# Altium PCB Wl-FRONT.PcbDoc
Units mm, origin at the board's own origin, x right, y up, seen from the top; angles counter-clockwise.
Board outline 140 x 64.5 mm, 2 copper layers (Top Layer, Bottom Layer), stack 1.671 mm thick; 34 components, 42 nets, 229 pads, 172 vias.
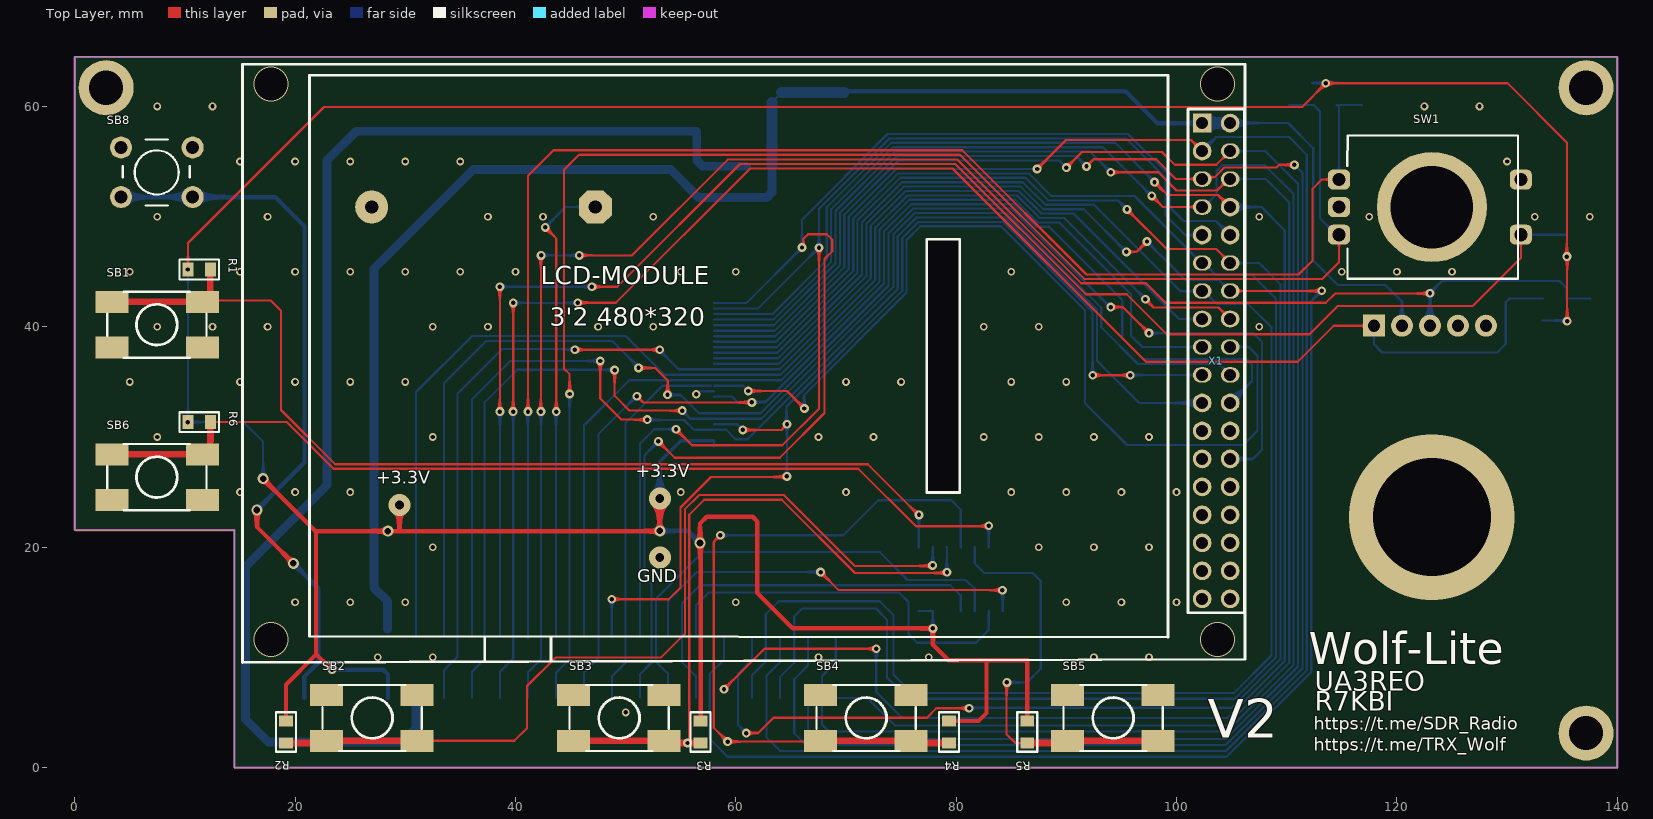
[diagram p0: Top Layer view]
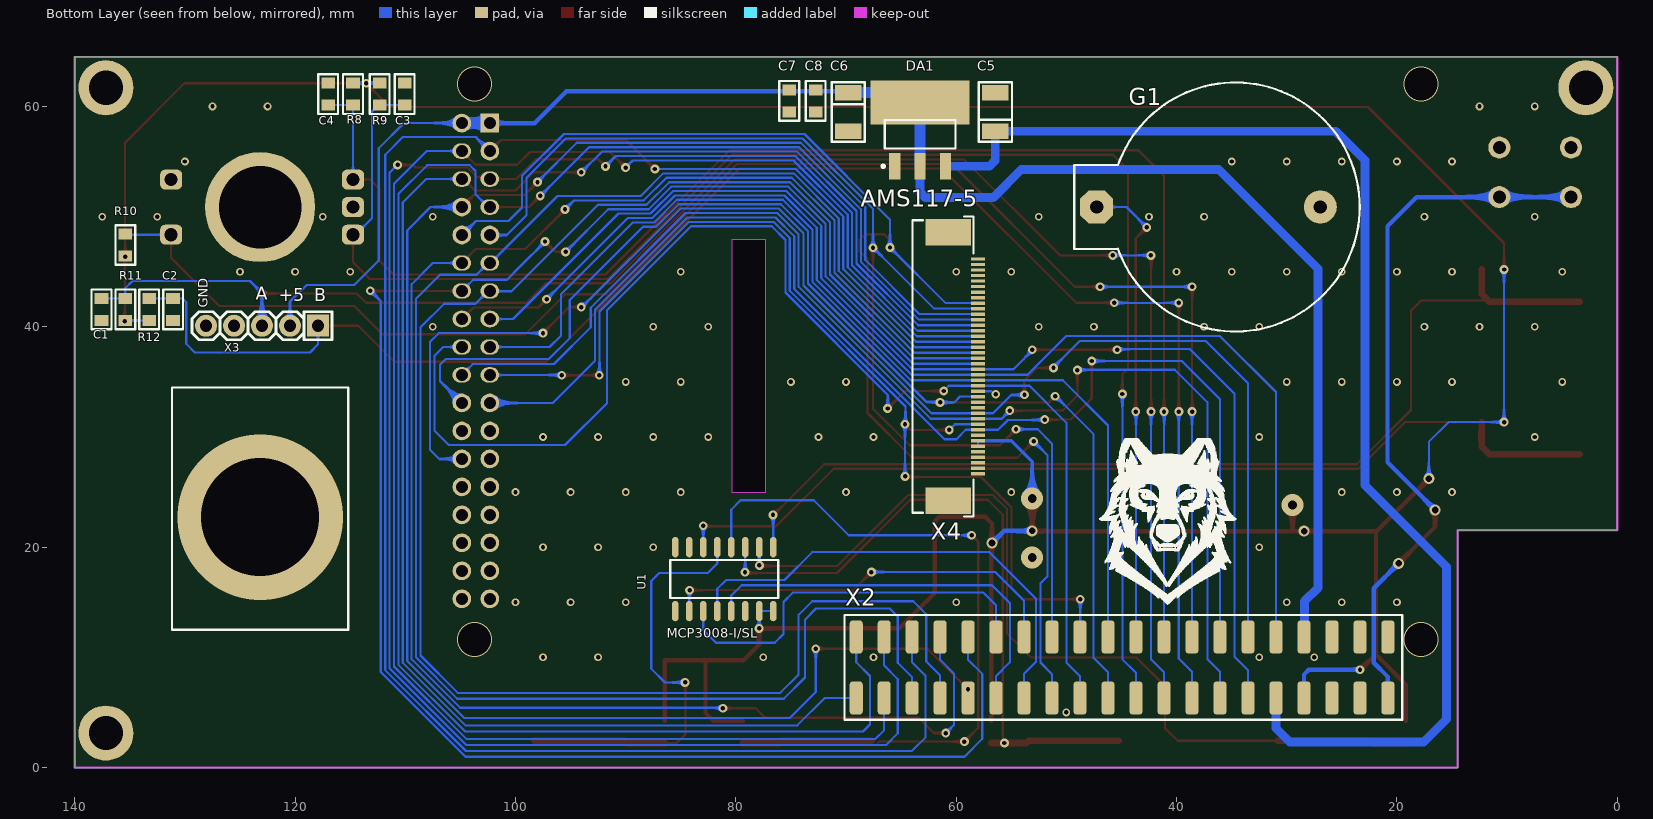
[diagram p1: Bottom Layer view, seen from below]

## Layer stack, top to bottom
Top Solder: solder mask 0.0102, Solder Resist, Dk 3.5
Top Layer: signal copper 0.0356
Dielectric 1: dielectric 1.6, FR-4, Dk 4.8
Bottom Layer: signal copper 0.0356
Bottom Solder: solder mask 0.0102, Solder Resist, Dk 3.5

## Board outline
0,21.55 0,64.5 140,64.5 140,0 14.5,0 14.5,21.55
cut-out: 77.325,24.95 80.325,24.95 80.325,47.95 77.325,47.95

## Design rules (kind name [scope] priority, off if disabled: settings)
Clearance [All] p1: gap=0.2 ignorepadtopadclearanceinfootprint=FALSE except(0: Arc-Hole Track-Hole SMDPad-Hole THPad-Hole Via-Hole Fill-Hole Poly-Hole Region-Hole Text-Hole)
ComponentClearance [All] p1: gap=0 collisioncheckmode=3 verticalgap=0 showdistances=FALSE
PolygonConnect [All] p1: connectstyle=Relief reliefconductorwidth=0.254 reliefentries=4 polygonreliefangle="90 Angle" airgapwidth=0.254
RoutingVias [All] p1: holewidth=0.711 width=1.27 viastyle="Through Hole" minholewidth=0.711 minwidth=1.27 maxholewidth=0.711 maxwidth=1.27
SolderMaskExpansion [All] p1: expansion=0.102 istentingtop=FALSE
Width [All] p1: maxlimit=1 minlimit=0.15 preferedwidth=0.2
29 further rules are at their usual default settings.

## Components (designator, comment, footprint, x,y, rotation, side; value= is the part's Value field where it differs from the comment)
C1 "0.1" CH0805C 137.575,41.575 r270 bottom
C2 "0.1" CH0805C 131.075,41.575 r270 bottom
C3 "0.1" CH0805C 110.05,61.125 r90 bottom
C4 "0.1" CH0805C 117,61.125 r90 bottom
C5 "10uF 10V" TANTAL_B 56.446,59.5 r90 bottom
C6 "10uF 10V" TANTAL_B 69.8,59.5 r270 bottom
C7 "0.1" CH0805C 75.15,60.5 r270 bottom
C8 "0.1" CH0805C 72.75,60.5 r270 bottom
DA1 "AMS117-5" SOT223 63.275,57.475 r90 bottom
G1 "3V" "BAT: CH224-2032" 37.1,50.875 r180 bottom
R1 "4.7K" CH0805R 11.302,45.2 r0 top
R2 "4.7K" CH0805R 19.175,3.223 r270 top
R3 "4.7K" CH0805R 56.8,3.223 r270 top
R4 "4.7K" CH0805R 79.35,3.223 r270 top
R5 "4.7K" CH0805R 86.45,3.223 r270 top
R6 "4.7K" CH0805R 11.302,31.35 r0 top
R8 "4.7k" CH0805R 114.75,61.125 r270 bottom
R9 "4.7k" CH0805R 112.325,61.125 r270 bottom
R10 "4.7k" CH0805R 135.408,47.425 r90 bottom
R11 "4.7k" CH0805R 135.408,41.575 r90 bottom
R12 "4.7k" CH0805R 133.242,41.575 r90 bottom
SB1 "\"Кнопка\"" "BUT: 6x6 SMD" 7.45,40.19 r0 top
SB2 "\"Кнопка\"" "BUT: 6x6 SMD" 26.996,4.5 r180 top
SB3 "\"Кнопка\"" "BUT: 6x6 SMD" 49.414,4.5 r180 top
SB4 "\"Кнопка\"" "BUT: 6x6 SMD" 71.832,4.5 r180 top
SB5 "\"Кнопка\"" "BUT: 6x6 SMD" 94.25,4.5 r180 top
SB6 "\"Кнопка\"" "BUT: 6x6 SMD" 7.45,26.354 r0 top
SB8 "\"Power\"" "BUT: 6x6" 7.45,54.025 r180 top
SW1 "PEC12" Valkoder-m2 123.351,51.413 r270 top
U1 "MCP3008-I/SL" 16-SOIC 81.05,17.075 r270 bottom
X1 "LCD-MODULE" TFT3.2-320x480-pin 15.039,63.879 r0 top locked
X2 "FPC 0.5" "CON: PBD2x20" 19.76,6.335 r0 bottom locked
X3 "Valcoder" "CON: PLS-5" 123,40.1 r0 bottom
X4 "IPS 3.5" "IPS 3.5 ILI9481" 15.5,63.6 r0 bottom

## Footprints (in the part's own frame and the unit in brackets; to place one, negate y for a bottom-side part, rotate by r counter-clockwise, add the part's x,y. Pads: shape width x height; smd on the part's side, far side on the other; paste and mask are expansions set on the pad)
16-SOIC [mm]
  oval 1.85x0.6 smd: 1(-2.925,4.448) 2(-2.925,3.178) 3(-2.925,1.908) 4(-2.925,0.638) 5(-2.925,-0.632) 6(-2.925,-1.902) 7(-2.925,-3.172) 8(-2.925,-4.442) 9(2.875,-4.442) 10(2.875,-3.172) 11(2.875,-1.902) 12(2.875,-0.632) 13(2.875,0.638) 14(2.875,1.908) 15(2.875,3.178) 16(2.875,4.448)
  round 0.7 on Bottom Overlay: 10(-2.9,5.4)
  round 0.7 on Mech2: 25(-2.5,4.3)
  silkscreen extent -1.75,-4.9 1.7,4.9, body extent -3.09,-5.01 3.04,4.96, height 1.73
"BAT: CH224-2032" [mm] "Батарейный отсек для элемента 2032"
  oct 3x3 hole 1.2: 1(-10.151,0)
  round 3 hole 1.2: 2(10.152,0)
  silkscreen extent -12.19,-11.3 13.72,11.3, body extent -11.08,-11 13.42,11, height 8.5
"BUT: 6x6" [mm] "Leaded Tactile Button 6x6"
  round 2 hole 1.2: 1(-3.25,2.25) 1(3.25,2.25) 2(-3.25,-2.25) 2(3.25,-2.25)
  silkscreen extent -3,-2.99 3.1,3.01, body extent -3.15,-2.96 3.25,3.04, height 4.5
"BUT: 6x6 SMD" [mm] "Leaded Tactile Button 6x6"
  rect 3x2 smd: 1(-4.05,2.075) 1(4.15,2.075) 2(-4.05,-2.075) 2(4.15,-2.075)
  silkscreen extent -4.5,-3 4.5,3, body extent -4.5,-3 4.5,3, height 9.5
CH0805C [mm] "Chip Capacitor, 2-Leads, Body 2,00x1,20mm, IPC Medium Density"
  rect 1x1.25 smd: 1(-1,0) 2(1,0)
  silkscreen extent -1.8,-0.9 1.8,0.9, body extent -1,-0.62 1,0.63, height 0.78
CH0805R [mm]
  rect 1x1.25 smd: 1(-1,0) 2(1,0)
  silkscreen extent -1.8,-0.9 1.8,0.9, body extent -1,-0.6 1,0.6, height 0.44
"CON: PBD2x20" [mm]
  round 0.5 on Bottom Overlay: 0(-0.945,-4.715)
  rrect50% 1.2x3 smd: 1(1.055,0.025) 2(1.055,-5.515) 3(3.595,0.025) 4(3.595,-5.515) 5(6.135,0.025) 6(6.135,-5.515) 7(8.675,0.025) 8(8.675,-5.515) 9(11.215,0.025) 10(11.215,-5.515) 11(13.755,0.025) 12(13.755,-5.515) 13(16.295,0.025) 14(16.295,-5.515) 15(18.835,0.025) 16(18.835,-5.515) 17(21.375,0.025) 18(21.375,-5.515) 19(23.915,0.025) 20(23.915,-5.515) 21(26.459,0.025) 22(26.459,-5.515) 23(28.999,0.025) 24(28.999,-5.515) 25(31.539,0.025) 26(31.539,-5.515) 27(34.079,0.025) 28(34.079,-5.515) 29(36.619,0.025) 30(36.619,-5.515) 31(39.159,0.025) 32(39.159,-5.515) 33(41.699,0.025) 34(41.699,-5.515) 35(44.239,0.025) 36(44.239,-5.515) 37(46.779,0.025) 38(46.779,-5.515) 39(49.319,0.025) 40(49.319,-5.515)
  round 0.5 on Mech2: ""(0.455,-4.715)
  silkscreen extent -0.25,-7.5 50.37,2, body extent -0.25,-6.07 50.56,0.47, height 7.5
"CON: PLS-5" [mm]
  rect 2x2 hole 1.1: 1(-5.08,0)
  round 2 hole 1.1: 2(-2.54,0) 3(0,0) 4(2.54,0) 5(5.08,0)
  silkscreen extent -6.35,-1.27 6.35,1.27, body extent -6.35,-1.27 6.35,1.27, height 8.54
"IPS 3.5 ILI9481" [mm] "IPS 3.5 ILI9481"
  rect 1.25x0.3 smd: 1(42.525,36.95) 2(42.525,36.45) 3(42.525,35.95) 4(42.525,35.45) 5(42.525,34.95) 6(42.525,34.45) 7(42.525,33.95) 8(42.525,33.45) 9(42.525,32.95) 10(42.525,32.45) 11(42.525,31.95) 12(42.525,31.45) 13(42.525,30.95) 14(42.525,30.45) 15(42.525,29.95) 16(42.525,29.45) 17(42.525,28.95) 18(42.525,28.45) 19(42.525,27.95) 20(42.525,27.45) 21(42.525,26.95) 22(42.525,26.45) 23(42.525,25.95) 24(42.525,25.45) 25(42.525,24.95) 26(42.525,24.45) 27(42.525,23.95) 28(42.525,23.45) 29(42.525,22.95) 30(42.525,22.45) 31(42.525,21.95) 32(42.525,21.45) 33(42.525,20.95) 34(42.525,20.45) 35(42.525,19.95) 36(42.525,19.45) 37(42.525,18.95) 38(42.525,18.45) 39(42.525,17.95) 40(42.525,17.45)
  rect 4.15x2.4 smd: 41(45.225,15) 41(45.225,39.4)
  round 0.5 on Bottom Overlay: ""(42.025,16.7)
  round 0.5 on Mech2: ""(42.625,14.65)
  silkscreen extent 42.93,13.57 48.48,40.83, body extent 42.13,14.07 48.33,40.32, height 1.88
SOT223 [mm] "SOT223, 4-Leads, Body 6,50x7,00mm (avg), Pitch 2,30mm, IPC Medium Density"
  rect 2.4x1 smd: 1(-2.9,2.3) 2(-2.9,0) 3(-2.9,-2.3)
  rect 4x9 smd: 4(2.9,0)
  round 0.5 on Mech2: ""(-3,2.7)
  silkscreen extent -3.02,-3.2 1.3,3.48, body extent -3.48,-3.25 3.48,3.25, height 1.65
TANTAL_B [mm]
  rect 1.4x2.4 smd: 1(-1.75,0) 2(1.75,0)
  round 0.5 on Mech2: ""(-1.4,1)
  silkscreen extent -2.7,-1.5 2.7,1.5, body extent -1.85,-1.46 1.85,1.47, height 2.03
TFT3.2-320x480-pin [mm]
  rect 1.7x1.7 hole 1.1: 1(87.286,-5.389)
  round 1.7 hole 1.1: 2(89.826,-5.389) 3(87.286,-7.929) 8(89.826,-13.009) 9(87.286,-15.549) 10(89.826,-15.549) 21(87.286,-30.789) 22(89.826,-30.789) 23(87.286,-33.329) 24(89.826,-33.329) 25(87.286,-35.869) 26(89.826,-35.869) 27(87.286,-38.409) 28(89.826,-38.409) 29(87.286,-40.949) 30(89.826,-40.949) 31(87.286,-43.489) 32(89.826,-43.489) 33(87.286,-46.029) 34(89.826,-46.029) 35(87.286,-48.569) 36(89.826,-48.569)
  oval 1.7x1.4 hole 1.1: 4(89.826,-7.929) 5(87.286,-10.469) 6(89.826,-10.469) 7(87.286,-13.009) 11(87.286,-18.089) 12(89.826,-18.089) 13(87.286,-20.629) 14(89.826,-20.629) 17(87.286,-25.709) 18(89.826,-25.709) 19(87.286,-28.249) 20(89.826,-28.249)
  oval 1.7x1.5 hole 1.1: 15(87.286,-23.169) 16(89.826,-23.169)
  silkscreen extent 0.18,-54.35 91.18,-0.05
Valkoder-m2 [mm]
  rrect50% 1.8x2 hole 1.2: 1(-1.95,-8.6) 2(0.55,-8.6) 3(3.05,-8.6) 4(-1.95,7.9) 5(3.05,7.9)
  round 10 hole 7.5: 2(0.55,-0.175)
  silkscreen extent -5.95,-7.85 7.05,7.65, body extent -5.97,-7.9 7.12,7.22, height 23.7

## Part data
C1 C2 C3 C4 C7 C8: library part Capacitor
C5 C6: library part TantalCap
DA1: library part AMS117
G1: library part POWER_BAT
R1 R2 R3 R4 R5 R6 R8 R9 R10 R11 R12: library part Resistor
SB1 SB2 SB3 SB4 SB5 SB6 SB8: library part "Tactile switches", "6x6 mm"
SW1: "Encoder"
X2: library part FPC-45-0.5, System=Connector
X3: library part 5-Connector
X4: library part "LCD-IPS 3.5"

## Free pads (board coordinates)
  round 5 hole 3.1: 12(2.85,61.7) 12(137.173,3.126) 12(137.173,61.7)

## Via types
v1: diameter 0.7, hole 0.4, Top Layer to Bottom Layer, tented both sides, 86 vias
v2: diameter 0.8, hole 0.4, Top Layer to Bottom Layer, tented both sides, 72 vias
v3: diameter 1, hole 0.6, Top Layer to Bottom Layer, tented both sides, 6 vias
v4: diameter 3.2, hole 3, Top Layer to Bottom Layer, 4 vias
v5: diameter 2, hole 0.8, Top Layer to Bottom Layer, 3 vias
v6: diameter 15, hole 10.7, Top Layer to Bottom Layer, 1 vias

## Nets (pads, with @x,y where several pads share a name; then routed paths per layer and width w, separated by ;. In a path a pad name is that pad's centre, name@x,y a point inside that pad or via, vN(x,y) a via of type N, cw(c..) or ccw(c..) an arc to the next point about the centre after c; other vN are vias at no path point)
+3.3V: R1.1 R2.1 R3.1 R4.1 R5.1 R6.1 R8.1 R9.1 R10.1 R11.1 R12.1 U1.15 U1.16 X2.7 X4.6 X4.7 | length 340.2
  Top Layer w0.2: v2(10.275,45.2) 10.275,47.6 22.625,59.95 111.4,59.95 v2(113.55,62.1) 130.05,62.1 135.425,56.725 v2(135.425,46.375) 135.45,46.35 v2(135.45,40.5)
  Top Layer w0.4: v3@17.15,26.15 21.9,21.4 ; R2.1 19.175,7.525 21.9,10.25 ; v2(23.35,8.875) 23.325,8.875 21.95,10.25 21.9,10.25 ; v5(29.475,23.825) 29.475,21.45 ; v3@53.025,21.45 29.475,21.45 ; v3(53.1,21.475) v5(53.1,24.425) ; v3(56.75,20.375) 56.75,22.15 57.35,22.75 61.525,22.75 61.95,22.325 61.95,15.85 65.173,12.627 v2(77.888,12.627) 77.888,11.137 79.275,9.75 82.625,9.75 86.45,9.75 R5.1 ; R3.1 v3@56.8,20.375 ; R4.1 82.023,4.223 82.75,4.95 82.75,9.566 ; 21.9,10.25 21.9,21.4 ; 21.9,21.4 21.95,21.45 v3(28.425,21.45) 29.475,21.45
  Bottom Layer w0.2: v2(10.275,45.2) v2(10.275,31.35) 15.325,31.35 17.1,29.575 v3(17.1,26.225) ; X4.6 X4.7 ; U1.16@76.6,14.198 U1.16 U1.15 77.872,12.722 v2@77.85,12.7 ; R9.1 R8.1 ; R12.1 R11.1
  Bottom Layer w0.3: v5(53.1,24.425) 53.1,27.75 54.5,29.15 55,29.65 X4.7
  Bottom Layer w0.4: v2@23.625,8.875 28,8.875 28.435,8.44 X2.7 ; v3(53.1,21.475) 55.65,21.475 v3(56.75,20.375)
+5V: C6.1 C7.1 C8.1 DA1.2 DA1.4 X1.1 X1.2 X2.8 X3.2 | length 161.4
  Bottom Layer w0.2: DA1.4 DA1.4@64.15,61.25 ; C6.1 69.925,61.375 70.05,61.5 C8.1 C7.1 ; X1.2 110.11,58.49 112.4,56.2 112.4,46.025 114.625,43.8 118.95,43.8 120.46,42.29 X3.2
  Bottom Layer w0.4: C6.1@69.925,61.375 95.375,61.375 98.26,58.49 X1.1
  Bottom Layer w0.8: X2.8@28.4,12.55 28.4,15.075 27.15,16.325 27.15,45.25 36.175,54.275 54.1,54.275 56.65,51.725 62.8,51.725 63.275,52.2 DA1.2
  Bottom Layer w1: DA1.2 DA1.4 ; DA1.4@64.15,61.25 C6.1 ; X1.1 X1.2
+8Power: C5.1 DA1.3 X2.9 | length 115.4
  Bottom Layer w0.8: X2.9 30.975,3.575 29.703,2.303 17.589,2.303 15.5,4.392 15.5,18.225 22.9,25.625 22.9,55.1 25.55,57.75 C5.1 56.446,55.104 56.975,54.575 DA1.3
AD1_CS: U1.10@84.222,14.2 X2.28 | length 37.3
  Top Layer w0.2: v2(67.7,17.735) 69.335,16.1 v2@84.2,16.1
  Bottom Layer w0.2: X2.28 53.839,15.139 56.45,17.75 67.685,17.75 v2(67.7,17.735) ; v2(84.19,16.092) 84.222,16.06 U1.10@84.222,14.2
ENC2_CLK: C3.1 R9.2 SW1.3 X2.19 | length 142.5
  Top Layer w0.2: v2(44.916,33.902) 44.916,35.691 44.4,36.207 44.4,54.25 45.774,55.624 80.351,55.624 91.625,44.35 113.25,44.35 114.751,45.851 SW1.3
  Bottom Layer w0.2: X2.19 43.675,8.6 44.916,9.841 v2(44.916,33.902) ; C3.1@110.233,60.125 112.45,60.125 113.025,59.55 113.025,49.85 114.512,48.363 SW1.3
ENC2_DT: C4.1 R8.2 SW1.1 X2.18 | length 137.8
  Top Layer w0.2: v2(41.14,32.302) 41.14,53.715 43.449,56.024 80.551,56.024 91.825,44.75 111.075,44.75 112.35,46.025 112.35,52.525 113.188,53.363 SW1.1
  Bottom Layer w0.2: X2.18@41.125,11.7 v2@41.125,32.525 ; R8.2@114.549,60.125 114.751,59.923 SW1.1 ; R8.2@114.699,60.125 C4.1@116.841,60.125
ENC2_SW: R10.2 SW1.5 X2.16 | length 144.2
  Top Layer w0.2: v2(38.585,32.302) v2@38.585,43.435 ; v2(46.94,43.635) 49.235,43.635 60.375,54.775 79.925,54.775 91.75,42.95 95.475,42.95 99.1,39.325 112.075,39.325 114.65,41.9 126.9,41.9 131.251,46.251 SW1.5
  Bottom Layer w0.2: v2(38.593,43.635) v2(46.94,43.635) ; X2.16 v2@38.595,32.12 ; SW1.5 R10.2@135.408,48.363
ENC_CLK: C2.1 R12.2 X2.15 X3.1 | length 149.6
  Top Layer w0.2: v2(39.79,32.302) v2@39.79,42.16 ; v2(45.66,42.191) 49.116,42.191 61.3,54.375 79.675,54.375 97.225,36.825 111,36.825 114.275,40.1 X3.1
  Bottom Layer w0.2: X2.15 38.595,8.695 39.8,9.9 v2@39.8,32.4 ; v2(39.792,42.173) v2@45.452,42.173 ; X3.1 117.92,38.405 118.65,37.675 129.1,37.675 129.875,38.45 129.875,42.225 130.225,42.575 C2.1 R12.2
ENC_DT: C1.1 R11.2 X2.17 X3.3 | length 149.8
  Top Layer w0.2: v2(42.307,32.302) v2@42.307,46.468 ; v2(45.796,46.483) 50.583,46.483 59.275,55.175 80.125,55.175 91.35,43.95 97.225,43.95 99,42.175 113.55,42.175 114.4,43.025 v2@122.975,43.025
  Bottom Layer w0.2: X2.17 41.135,8.635 42.325,9.825 v2@42.325,32.525 ; v2(42.326,46.485) v2@45.74,46.485 ; X3.3 v2@123,42.925 ; v2(123,43.05) 124.1,44.15 134.75,44.15 135.408,43.492 R11.2 C1.1
FSMC_A18: X1.19 X2.24 X4.10 | length 98.4
  Top Layer w0.2: v2(48.741,15.273) 53.923,15.273 54.975,16.325 54.975,23.6 57.75,26.375 64.581,26.375 v2(64.631,26.425) ; v2(60.632,30.64) 64.135,30.64 v2(64.647,31.152) ; v2(92.4,35.609) 92.41,35.598 v2(95.798,35.598)
  Bottom Layer w0.2: v2(48.741,15.273) 48.741,11.868 X2.24 ; X4.10 60.125,31.15 60.55,30.725 v2@60.575,30.725 ; v2(64.631,26.425) 64.639,26.433 64.639,31.113 64.6,31.152 64.6,32.775 75.1,43.275 75.1,48.052 76.573,49.525 84.241,49.525 92.375,41.391 92.375,35.634 v2(92.4,35.609) ; v2@95.505,35.63 X1.19
FSMC_D0: X1.18 X2.23 X4.17 | length 118.4
  Top Layer w0.2: v2(61.124,34.171) 64.641,34.171 v2(66.227,32.585)
  Bottom Layer w0.2: X2.23 48.759,8.284 50,9.525 50,31.3 53.35,34.65 X4.17@57.725,34.65 ; X4.17 60.675,34.65 v2@61.1,34.225 ; v2@66.2,32.675 66.2,33.809 75.5,43.109 75.5,47.887 76.738,49.125 84.075,49.125 91.7,41.5 91.7,33.075 95.5,29.275 106.05,29.275 107.35,30.575 107.35,37.375 106.555,38.17 X1.18
FSMC_D1: X1.17 X2.22 X4.18 | length 94.3
  Bottom Layer w0.2: X2.22 46.219,31.044 50.325,35.15 X4.18 64.112,35.15 73.05,44.088 73.05,48.831 75.744,51.525 85.356,51.525 87.406,49.475 89.35,49.475 95.875,42.95 95.875,39.2 96.905,38.17 X1.17
FSMC_D2: X1.16 X2.10 X4.19 | length 113.9
  Top Layer w0.2: v2(97.175,42.5) 97.915,41.76 103.815,41.76 X1.16
  Bottom Layer w0.2: X2.10 30.975,34.075 36.075,39.175 50,39.175 53.525,35.65 X4.19 64.047,35.65 72.65,44.253 72.65,48.997 75.578,51.925 85.522,51.925 87.572,49.875 89.8,49.875 v2(97.175,42.5)
FSMC_D3: X1.15 X2.11 X4.20 | length 112.3
  Top Layer w0.2: v2(45.392,37.914) v2(53.092,37.914)
  Bottom Layer w0.2: X2.11 33.515,8.84 34.75,10.075 34.75,33.95 38.775,37.975 v2@45.258,37.975 ; v2@53.05,37.9 54.8,36.15 X4.20 63.981,36.15 72.25,44.419 72.25,49.162 75.413,52.325 85.688,52.325 87.738,50.275 90.65,50.275 100.215,40.71 X1.15
FSMC_D4: X1.14 X2.32 X4.21 | length 172.4
  Top Layer w0.2: v2(95.445,46.801) 96.377,46.801 v2(97.315,47.739) ; X1.14 113.15,43.25 v2(113.175,43.275)
  Bottom Layer w0.2: X4.21 63.915,36.65 71.85,44.585 71.85,49.328 75.247,52.725 85.853,52.725 87.903,50.675 91.571,50.675 95.371,46.875 v2@95.375,46.875 ; X2.32 58.919,9.794 57.625,8.5 57.625,2.6 59.25,0.975 104.525,0.975 112.225,8.675 112.225,42.35 v2@113.163,43.288 ; v2@97.325,47.725 99.625,45.425 100.775,44.275 103.84,44.275 X1.14
FSMC_D5: X1.13 X2.33 X4.22 | length 157.8
  Bottom Layer w0.2: X4.22 63.85,37.15 71.45,44.75 71.45,49.494 75.081,53.125 86.05,53.125 88.1,51.075 92.5,51.075 100.35,43.225 102.3,43.225 X1.13 102.475,43.25 103.625,42.1 106.475,42.1 108.625,39.95 108.625,10.166 105.234,6.775 75.975,6.775 74.3,8.45 74.3,13.875 73.075,15.1 63.9,15.1 62.725,13.925 62.725,9.625 61.459,8.359 X2.33
FSMC_D6: X1.12 X2.34 X4.23 | length 159.6
  Top Layer w0.2: v2(60.95,3.125) 62.025,3.125 63.425,4.525 77.35,4.525 78.2,5.375 v2(81.175,5.375) ; v2(95.503,50.652) 99.08,47.075 103.58,47.075 X1.12
  Bottom Layer w0.2: X4.23 63.784,37.65 71.05,44.916 71.05,49.659 74.916,53.525 86.3,53.525 88.35,51.475 94.68,51.475 95.455,50.7 v2@95.5,50.7 ; v2(60.95,3.125) 60.2,3.875 60.2,8.525 61.459,9.784 X2.34 ; v2(81.175,5.375) 81.225,5.425 82.975,5.425 105.015,5.425 109.425,9.835 109.425,43.875 107.51,45.79 X1.12
FSMC_D7: X1.11 X2.35 X4.24 | length 157.5
  Bottom Layer w0.2: X4.24 63.718,38.15 70.65,45.082 70.65,49.825 74.75,53.925 86.575,53.925 88.625,51.875 96.175,51.875 102.26,45.79 102.475,45.79 103.54,44.725 106.85,44.725 109.025,42.55 109.025,10 105.275,6.25 75.65,6.25 73.725,8.175 73.725,13.425 72.725,14.425 66.025,14.425 65.3,13.7 65.3,9.5 64,8.2 X2.35 X2.35
FSMC_D8: X1.3 X2.36 X4.25 | length 174.8
  Top Layer w0.2: v2(87.343,54.324) 89.968,56.95 101.325,56.95 X1.3
  Bottom Layer w0.2: X4.25 63.652,38.65 70.25,45.248 70.25,50.015 74.56,54.325 v2@87.35,54.325 ; X2.36 63.999,9.524 62.775,8.3 62.775,2.75 64.025,1.5 65.725,1.5 104.45,1.5 104.484,1.5 111.825,8.841 111.825,55.625 110.225,57.225 103.6,57.225 X1.3
FSMC_D9: X1.4 X2.37 X4.26 | length 159.7
  Top Layer w0.2: v2(90.003,54.452) 91.426,55.875 98.675,55.875 99.85,54.7 103.615,54.7 X1.4
  Bottom Layer w0.2: X4.26 63.587,39.15 69.85,45.413 69.85,50.181 74.769,55.1 89.355,55.1 89.93,54.525 v2@89.95,54.525 ; X2.37 66.539,3.386 67.325,2.6 104.453,2.6 111.025,9.172 111.025,52.975 108.05,55.95 X1.4
FSMC_D10: X1.5 X2.38 X4.27 | length 168.6
  Top Layer w0.2: v2(91.828,54.555) 92.474,55.2 98.15,55.2 99.94,53.41 X1.5 102.499,53.584 103.475,53.584 104.341,54.45 109.072,54.45 109.322,54.7 v2(110.7,54.7)
  Bottom Layer w0.2: X4.27 63.521,39.65 69.45,45.579 69.45,50.347 74.603,55.5 90.883,55.5 91.75,54.633 v2@91.75,54.625 ; X2.38 66.539,9.264 65.3,8.025 65.3,3.1 66.35,2.05 104.469,2.05 111.425,9.006 111.425,53.975 v2(110.7,54.7)
FSMC_D11: X1.6 X2.39 X4.28 | length 150.5
  Top Layer w0.2: v2(94.031,54.022) 98.353,54.022 100,52.375 103.675,52.375 104.71,53.41 X1.6
  Bottom Layer w0.2: X4.28 63.455,40.15 69.05,45.745 69.05,50.512 74.438,55.9 92.154,55.9 93.975,54.079 v2@93.975,54.075 ; X2.39 71.94,6.31 74.425,3.825 104.547,3.825 110.225,9.503 110.225,51.275 108.09,53.41 X1.6
FSMC_D12: X1.7 X2.40 X4.29 | length 164.7
  Top Layer w0.2: v2(97.753,51.877) 98.76,50.87 X1.7
  Bottom Layer w0.2: X4.29 63.39,40.65 68.65,45.91 68.65,50.678 74.272,56.3 93.33,56.3 97.643,51.988 v2@97.643,51.957 ; X2.40 69.079,9.554 67.825,8.3 67.825,3.9 68.45,3.275 104.562,3.275 110.625,9.338 110.625,52.05 108,54.675 104.15,54.675 103.625,54.15 103.625,52.025 102.47,50.87 X1.7
FSMC_D13: X1.8 X2.31 X4.30 | length 162.8
  Top Layer w0.2: v2(58.925,7.1) 62.6,10.775 v2(72.75,10.775) ; v2(98.002,53.135) 99.162,51.975 103.76,51.975 X1.8
  Bottom Layer w0.2: X4.30 63.324,41.15 68.25,46.076 68.25,50.844 74.106,56.7 94.437,56.7 97.947,53.19 v2@97.947,53.178 ; v2@72.75,10.75 72.75,6.85 75.1,4.5 104.656,4.5 109.825,9.669 109.825,48.75 107.705,50.87 X1.8
FSMC_D14: X1.9 X2.26 X4.31 | length 109.3
  Top Layer w0.2: v2(54.575,30.7) 56.025,29.25 64.225,29.25 67.55,32.575 v2(67.55,47.175)
  Bottom Layer w0.2: X2.26 51.299,29.399 52.6,30.7 v2(54.575,30.7) ; X4.31 62,41.65 67.525,47.175 v2(67.55,47.175) 67.55,50.709 73.941,57.1 95.434,57.1 99,53.534 99,50.125 100.795,48.33 X1.9
FSMC_D15: X1.10 X2.25 X4.32 | length 121.9
  Top Layer w0.2: v2(52.975,29.6) 54.45,28.125 64,28.125 68.05,32.175 68.05,46.15 68.75,46.85 68.75,47.902 68.25,48.402 66.552,48.402 66.119,47.969 66.119,47.316 v2(66.005,47.201)
  Bottom Layer w0.2: X2.25 51.299,8.474 52.35,9.525 52.35,16.725 51.7,17.375 51.7,28.325 v2(52.975,29.6) ; X4.32 60.954,42.15 v2(66.005,47.201) 66.005,49.73 73.775,57.5 95.6,57.5 99.4,53.7 99.4,50.825 100.625,49.6 103.595,49.6 X1.10
FSMC_NE1: X1.21 X2.14 X4.9 | length 114.9
  Top Layer w0.2: v2(47.7,36.9) 47.7,33.5 49.625,31.575 v2(51.959,31.575)
  Bottom Layer w0.2: X2.14 36.055,33.43 39.525,36.9 v2(47.7,36.9) ; v2@52.065,31.55 55.3,31.55 56.2,30.65 X4.9 59.125,30.65 59.975,29.8 61.059,29.8 74.7,43.441 74.7,48.218 76.407,49.925 84.406,49.925 92.775,41.556 92.775,36.925 96.61,33.09 X1.21
FSMC_NOE: X1.26 X2.12 X4.12 | length 130.8
  Top Layer w0.2: v2(51.168,36.27) 52.68,36.27 53.825,35.125 53.825,33.868 v2(53.796,33.838) ; v2(94.027,41.786) 95.139,41.786 v2(97.5,39.425)
  Bottom Layer w0.2: X2.12 33.515,34.89 37.325,38.7 48.8,38.7 v2@51.2,36.3 ; v2(53.796,33.838) 53.83,33.805 54.995,33.805 56.65,32.15 X4.12 62.244,32.15 73.85,43.756 73.85,48.5 76.075,50.725 85.025,50.725 v2@94,41.75 ; v2@97.6,39.425 106.975,39.425 107.763,38.637 107.763,28.85 106.923,28.01 X1.26
FSMC_NWE: X1.20 X2.13 X4.11 | length 116.9
  Top Layer w0.2: v2(49,36.071) 49,33.75 50.357,32.393 v2(55.138,32.393)
  Bottom Layer w0.2: X2.13 36.055,8.705 37.2,9.85 37.2,33.15 40.15,36.1 v2@48.864,36.1 ; v2(55.138,32.393) 55.881,31.65 X4.11 62.309,31.65 74.3,43.641 74.3,48.384 76.241,50.325 84.572,50.325 93.175,41.722 93.175,39.95 96.5,36.625 102.067,36.625 ccw(c102.066,36.825) 102.082,36.626 cw(c102.175,35.63) 102.175,36.63 102.475,36.63 cw(c102.475,35.63) 102.568,36.626 ccw(c102.584,36.825) 102.583,36.625 103.87,36.625 103.929,36.566 X1.20
GB-3.3V: G1.1 X2.20 | length 42.9
  Top Layer w0.2: v2(42.7,49.025) 43.698,48.027 43.698,32.523 v2@43.675,32.5
  Bottom Layer w0.2: v2(42.7,49.025) 44.55,50.875 G1.1 ; X2.20 v2@43.675,32.45
  other v2: 43.696,32.302
GND: C1.2 C2.2 C3.2 C4.2 C5.2 C6.2 C7.2 C8.2 DA1.1 G1.2 pad.12 SB1.2 SB2.2 SB3.2 SB4.2 SB5.2 SB6.2 SB8.2 SW1.2 SW1.4 U1.9 U1.14 X1.35 X1.36 X2.2 X2.3 X2.4 X2.6 X3.5 X4.5 X4.16 X4.37 X4.41 | length 1.7
  Bottom Layer w0.2: v2(56.403,33.881) 56.551,33.881 56.82,34.15 X4.16
  other v1: 50,5 27.5,10 32.5,10 67.5,10 77.5,10 92.5,10 97.5,10 20,15 25,15 30,15 60,15 90,15 95,15 100,15 32.5,20 87.5,20 92.5,20 97.5,20 15,25 20,25 25,25 55,25 70,25 85,25 90,25 95,25 100,25 7.5,30 32.5,30 67.5,30 72.5,30 82.5,30 87.5,30 92.5,30 97.5,30 5,35 15,35 20,35 25,35 30,35 70,35 75,35 85,35 90,35 7.5,40 12.5,40 17.5,40 32.5,40 37.5,40 47.5,40 52.5,40 82.5,40 87.5,40 107.5,40 5,45 15,45 20,45 25,45 30,45 35,45 40,45 55,45 60,45 85,45 115,45 120,45 125,45 7.5,50 17.5,50 37.5,50 42.5,50 52.5,50 107.5,50 117.5,50 132.5,50 137.5,50 15,55 20,55 25,55 30,55 35,55 130,55 7.5,60 12.5,60 122.5,60 127.5,60
  other v5: 53.1,19.075
  other v6: 123.169,22.726
NetR1_2: R1.2 SB1.1 U1.1 | length 92.5
  Top Layer w0.2: SB1.1@11.875,42.4 17.775,42.4 18.725,41.45 18.725,32.45 23.65,27.525 71.975,27.525 v2@76.595,22.905 ; 12.3,43.95 12.302,43.95
  Top Layer w0.6: SB1.1@3.4,42.265 11.6,42.265 12.302,42.966 12.302,43.95 R1.2
  Bottom Layer w0.2: U1.1 v2@76.602,22.973
  other v2: 76.622,22.932
NetR2_2: R2.2 SB2.1 U1.2 | length 80.5
  Top Layer w0.2: SB2.1@31.046,2.425 39.9,2.425 41.05,3.575 41.05,7.4 43.625,9.975 53.2,9.975 55.375,12.15 55.375,23.434 56.666,24.725 64.375,24.725 70.8,18.3 77.813,18.3 v2(77.863,18.35)
  Top Layer w0.6: R2.2 22.148,2.223 SB2.1@22.35,2.425 ; SB2.1@22.846,2.425 SB2.1@30.8,2.425
  Bottom Layer w0.2: v2(77.863,18.35) 77.868,18.354 77.868,19.996 U1.2
NetR3_2: R3.2 SB3.1 U1.3 | length 61.4
  Top Layer w0.2: v2(55.625,2.225) 55.74,2.34 55.74,2.607 55.775,2.642 55.775,22.95 57.125,24.3 64.175,24.3 70.825,17.65 79.09,17.65 v2(79.165,17.725)
  Top Layer w0.6: SB3.1@45.264,2.425 53.464,2.425 53.666,2.223 55.74,2.223 R3.2
  Bottom Layer w0.2: U1.3 79.154,19.988 79.154,17.737 v2(79.165,17.725)
NetR4_2: R4.2 SB4.1 U1.4 | length 66.1
  Top Layer w0.2: v2(58.6,21.075) 58,20.475 58,3.6 v2(59.25,2.35) 67,2.35 SB4.1@67.125,2.225
  Top Layer w0.6: SB4.1@67.682,2.425 75.882,2.425 76.084,2.223 R4.2
  Bottom Layer w0.2: v2(58.6,21.075) 69.75,21.075 72.925,24.25 79.567,24.25 80.412,23.405 U1.4
NetR5_2: R5.2 SB5.1 U1.5 | length 38.6
  Top Layer w0.2: v2@84.575,7.8 84.575,3.027 85.379,2.223 R5.2
  Top Layer w0.6: R5.2 89.898,2.223 90.1,2.425 SB5.1@98.3,2.425
  Bottom Layer w0.2: U1.5 81.682,18.518 82.55,17.65 86.95,17.65 87.675,16.925 87.675,8.975 86.425,7.725 v2(84.6,7.725)
NetR6_2: R6.2 SB6.1 U1.6 | length 87.9
  Top Layer w0.2: 12.3,30 12.326,29.925 ; R6.2 19.259,31.35 23.484,27.125 71.125,27.125 76.35,21.9 v2@82.586,21.9 ; 12.327,29.925 12.362,29.825
  Top Layer w0.6: SB6.1@3.4,28.429 11.6,28.429 12.302,29.131 12.327,29.925 R6.2
  Bottom Layer w0.2: v2@82.701,21.775 v2@82.701,21.938 ; U1.6 v2(82.951,21.938)
ON/OFF: SB8.1 X2.1 | length 64.9
  Top Layer w0.4: v3@16.55,23.275 16.55,21.825 v3(19.85,18.525)
  Bottom Layer w0.4: SB8.1@4.2,51.775 10.7,51.775 18.2,51.775 20.85,49.125 20.85,27.7 v3(16.525,23.375) ; v3@19.95,18.425 22.1,16.275 22.1,9.5 20.815,8.215 X2.1
PERI_MISO: U1.12 X2.27 | length 43.5
  Bottom Layer w0.2: X2.27 53.839,8.511 52.75,9.6 52.75,15.322 56.978,19.55 73.057,19.55 75.582,17.025 80.875,17.025 81.682,16.218 U1.12
PERI_MOSI: U1.11 X2.30 | length 35.7
  Bottom Layer w0.2: X2.30 56.379,14.729 57.525,15.875 74.825,15.875 75.675,15.025 75.675,12.125 76.475,11.325 81.8,11.325 82.952,12.477 U1.11
PERI_SCK: U1.13 X2.29 | length 36.9
  Bottom Layer w0.2: X2.29 56.379,8.296 55.125,9.55 55.125,14.925 56.75,16.55 79.475,16.55 80.412,15.613 U1.13
STM_NRST: X1.22 X2.21 X4.15 | length 111.7
  Top Layer w0.2: v2(51.018,33.701) 51.58,33.138 v2(61.459,33.138)
  Bottom Layer w0.2: X2.21 46.219,8.644 47.525,9.95 47.525,30.25 50.976,33.701 v2(51.018,33.701) ; X4.15 58.046,33.671 59.654,33.671 60.187,33.138 v2(61.459,33.138) 61.489,33.169 62.697,33.169 73.45,43.922 73.45,48.665 75.91,51.125 85.191,51.125 87.241,49.075 88.425,49.075 95.075,42.425 95.075,38.975 96.975,37.075 106.325,37.075 106.85,36.55 106.85,35.075 X1.22
pads on no net: C5. C6. DA1. U1.7 U1.8 U1.10@75.65,19.975 U1.25 X1.23 X1.24 X1.25 X1.27 X1.28 X1.29 X1.30 X1.31 X1.32 X1.33 X1.34 X2. X2.0 X2.5 X3.4 X4. X4.1 X4.2 X4.3 X4.4 X4.8 X4.13 X4.14 X4.33 X4.34 X4.35 X4.36 X4.38 X4.39 X4.40
copper on no net:
  other v4: 17.819,11.627 103.719,11.627 17.819,62.046 103.719,62.046

## Polygon pours and split planes (outlines as drawn)
GND on Bottom Layer "GND" (solid, remove dead copper, shelved, pour order 3): 0,64.5 0,21.5 14.5,21.5 14.5,0 140,0 140,64.5
GND on Bottom Layer "Bottom Layer-No Net" (solid, shelved, pour order 0): 0,64.5 140,64.5 140,0 14.5,0 14.5,21.5 0,21.5
GND on Top Layer "GND" (solid, remove dead copper, shelved, pour order 4): 0,64.5 0,21.55 0.05,21.5 14.5,21.5 14.5,0 140,0 140,64.5
GND on Top Layer "Top Layer-No Net" (solid, shelved, pour order 2): 0,64.5 0,21.55 0.05,21.5 14.5,21.5 14.5,0 140,0 140,64.5

## Keep-outs
Keep-Out Layer:
  the board outline again, w0.2

## Silkscreen, mask and mechanical layers (free items; w line width, h text height)
Top Overlay:
  lines w0.254: 77.325,24.95 80.325,24.95 80.325,47.95 77.325,47.95 77.325,24.95
  text "+3.3V" at 50.9,25.925 h2
  text "+3.3V" at 27.35,25.325 h2
  text "GND" at 51.075,16.425 h2
  text "Wolf-Lite" at 112,8.425 h5
  text "UA3REO" at 112.55,6.366 h3
  text "R7KBI" at 112.55,4.584 h3
  text "https://t.me/SDR_Radio" at 112.475,3.016 h2
  text "V2" at 102.825,1.525 h6
  text "https://t.me/TRX_Wolf" at 112.45,1.125 h2
Bottom Overlay:
  drawing of 3231 lines, arcs and shapes, not listed
  text "A" at 123.55,42.025 h2
  text "B" at 118.275,41.925 h2
  text "+5" at 121.475,41.9 h2
  text "GND" at 127.6,41.725 h1.5 r270

## Dimensions
0,64.5 to 140,64.5 on Size

## Text inside footprints (layer, text, board x,y; h text height)
X1: Top Overlay "3'2 480*320" at 43.125,40.075 h1.67